# KiCad board PC104+Proto.kicad_pcb
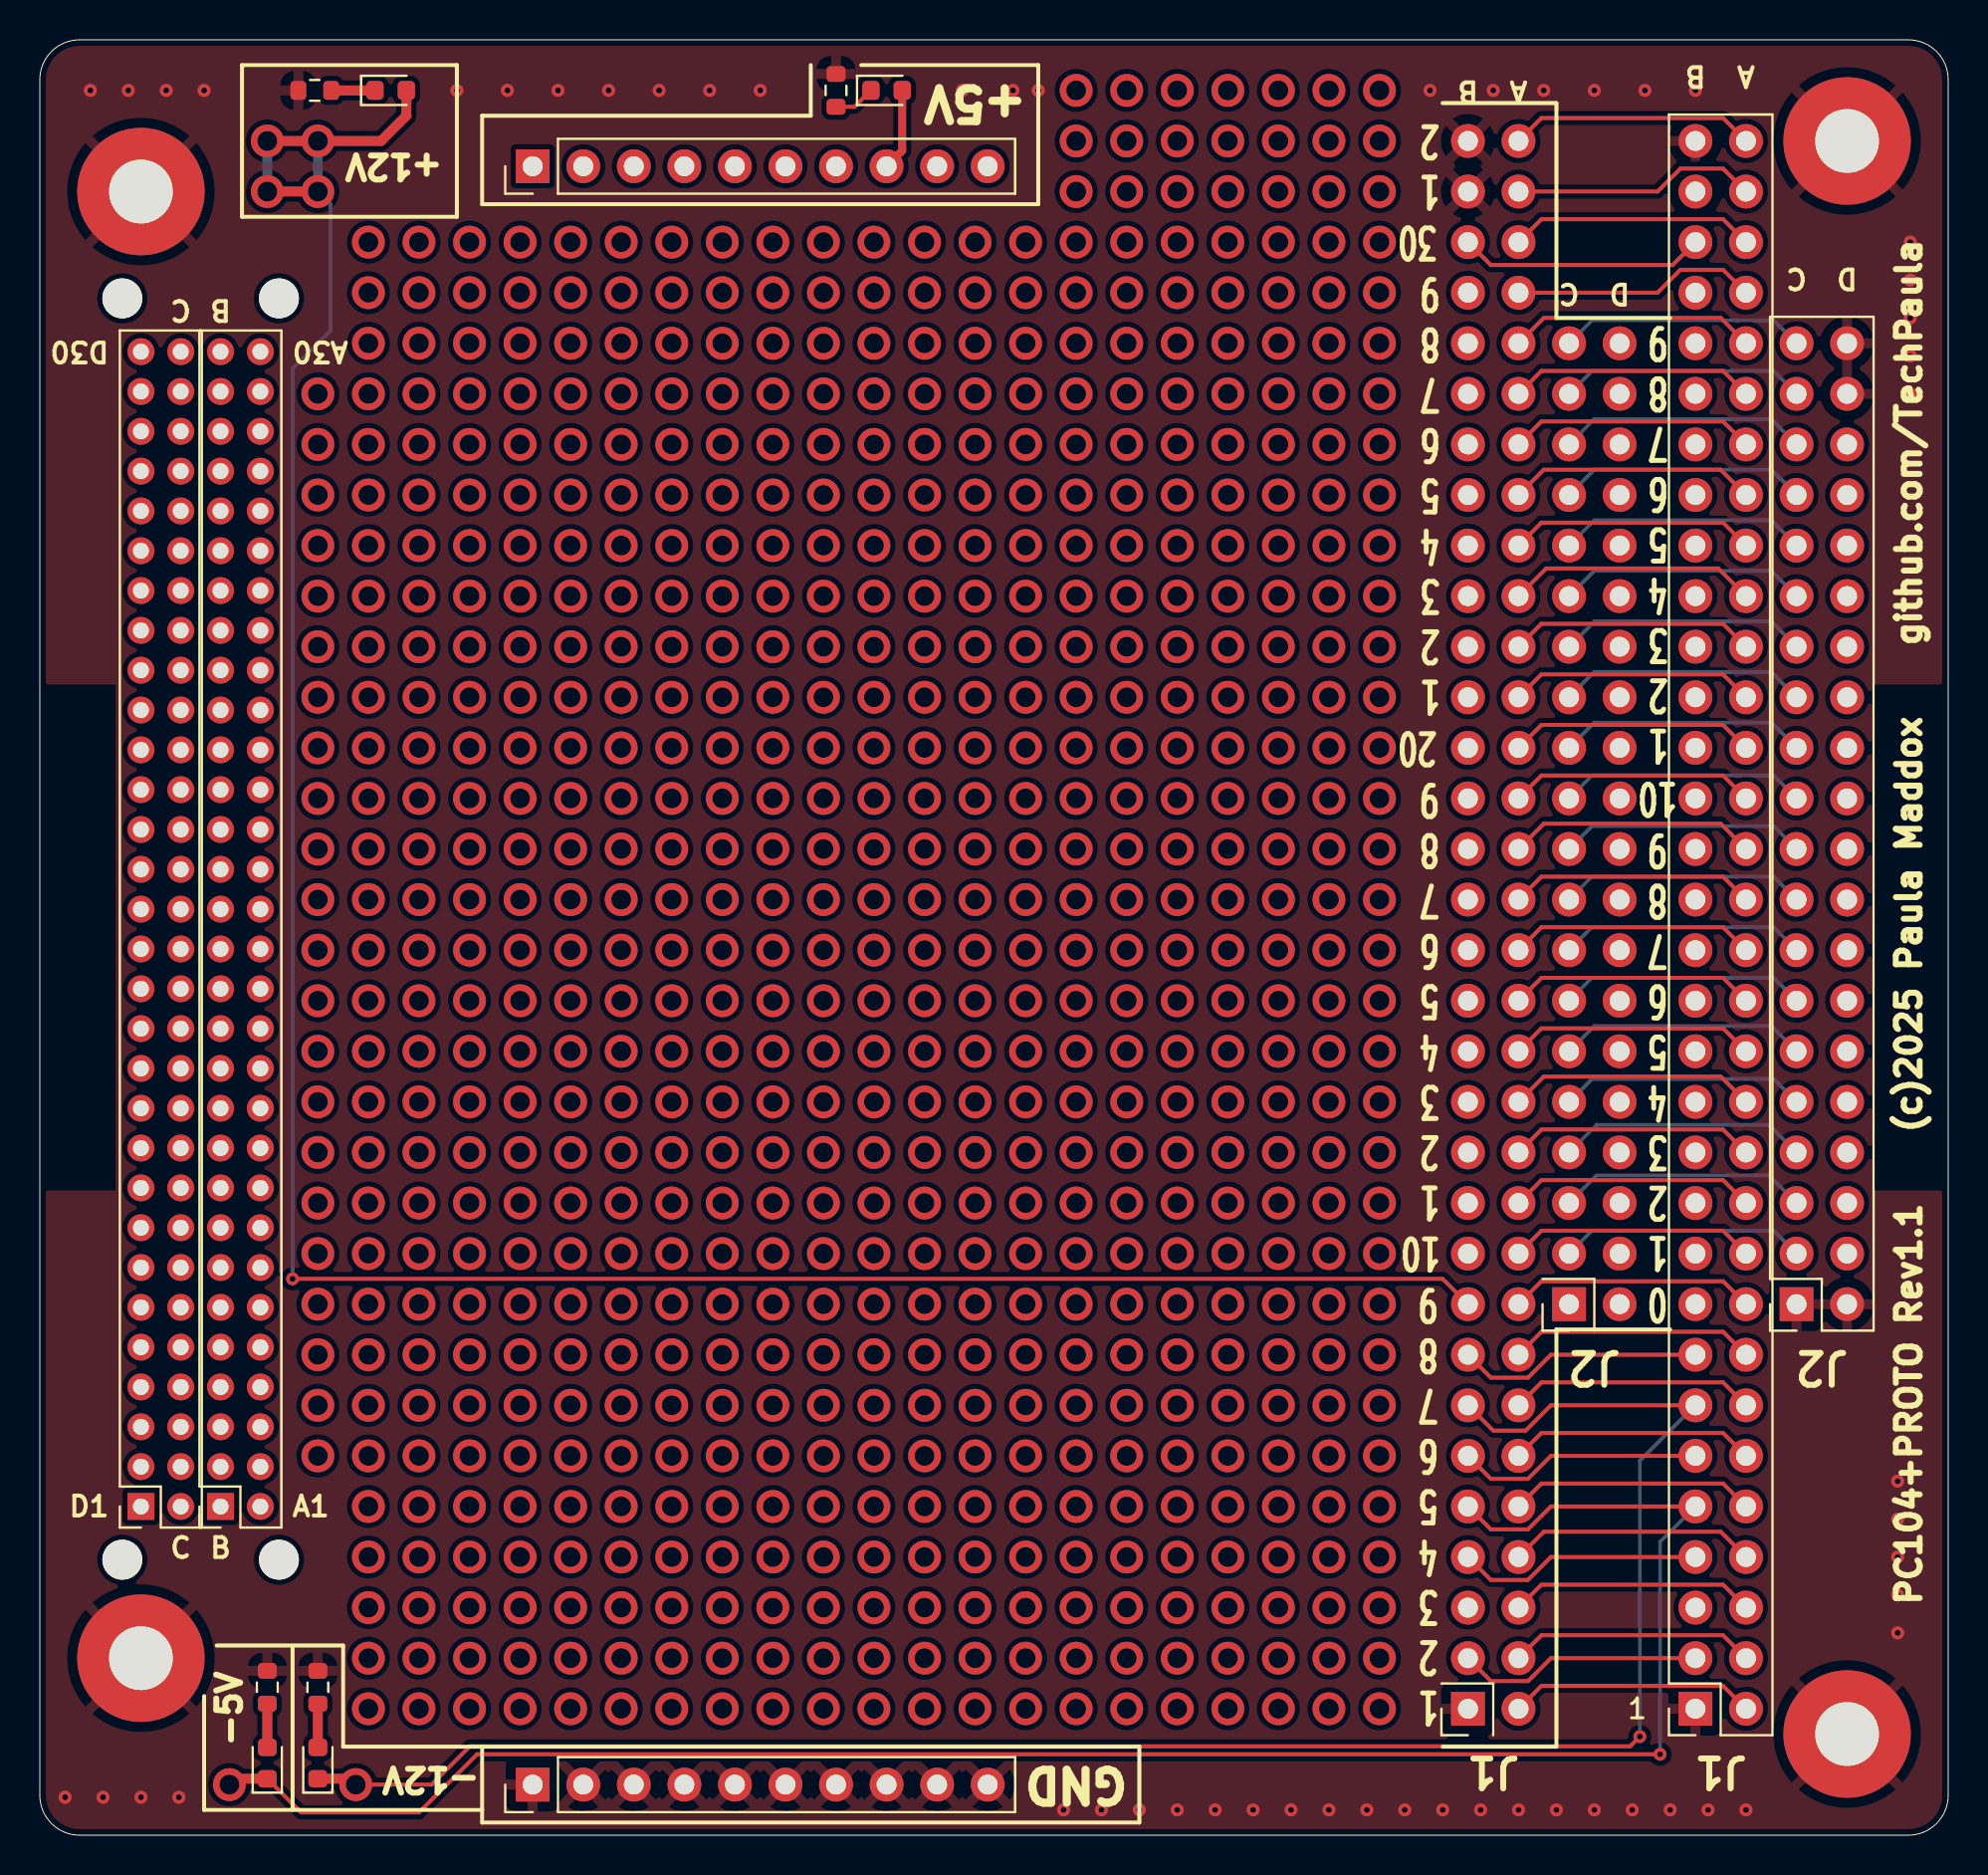
[diagram p0: board, top side]
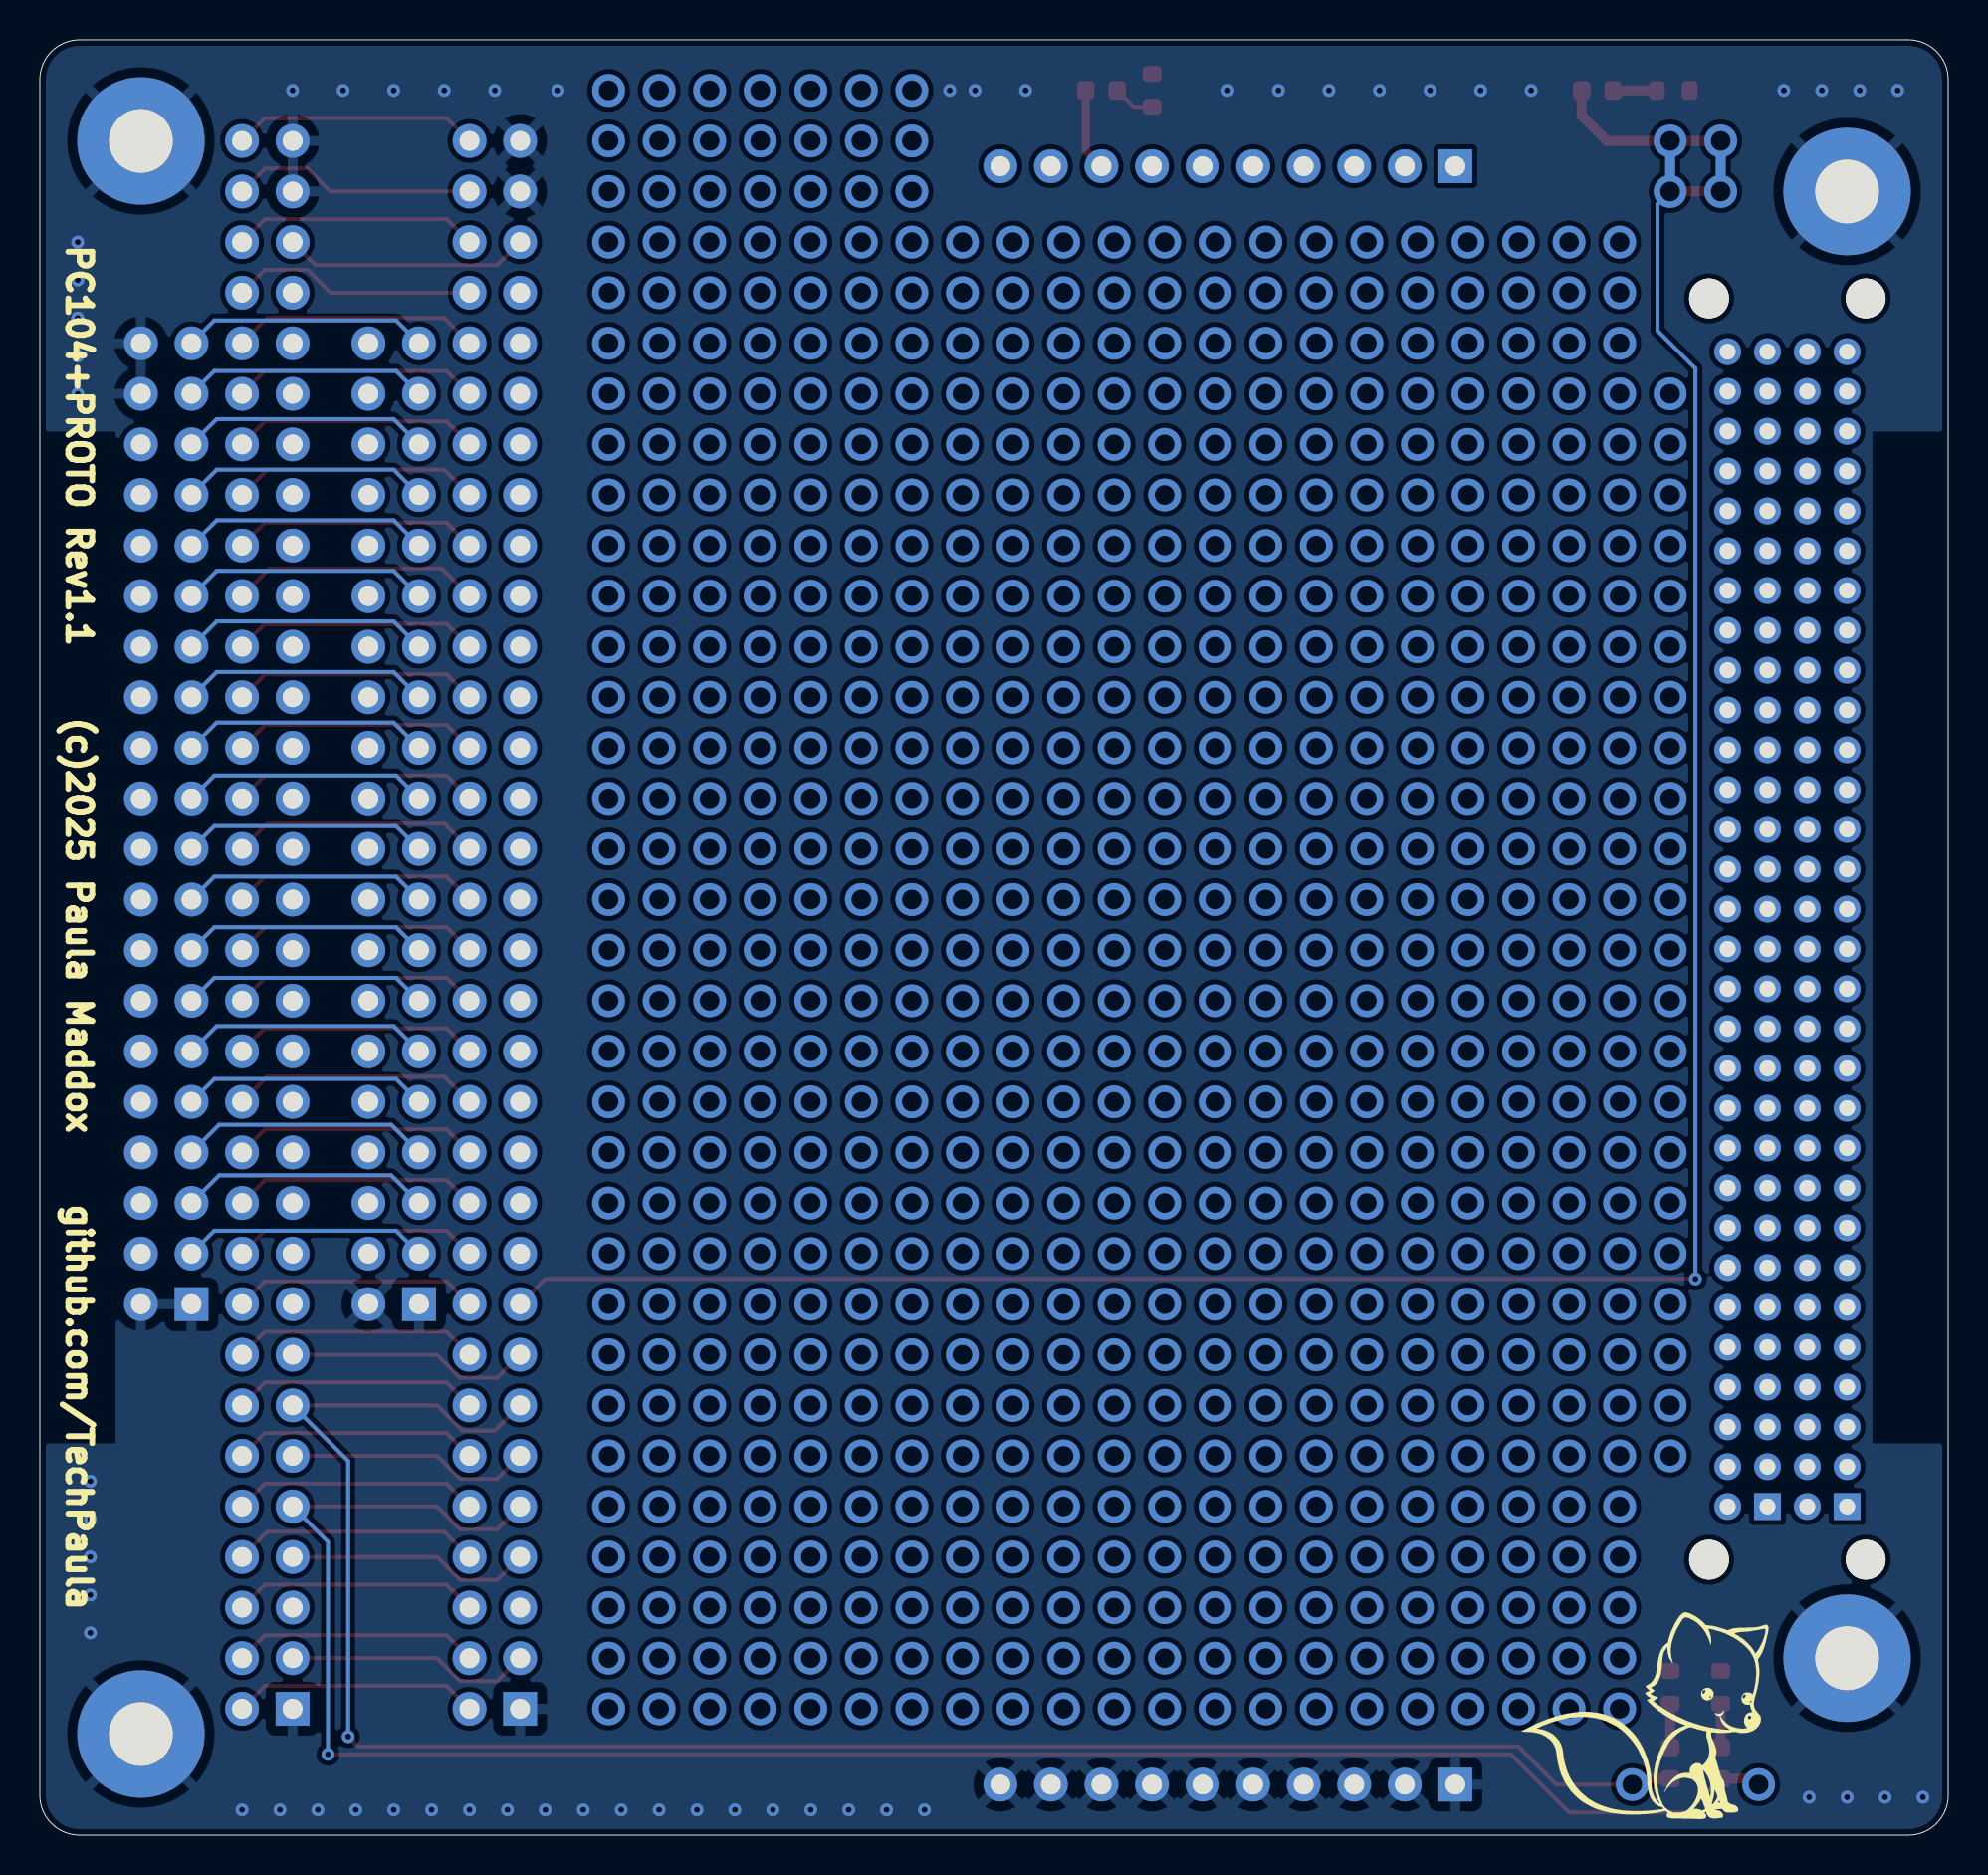
[diagram p1: board, bottom side, seen from below]

Outline 95.89 x 90.17 mm; copper layers: Top, In1.Cu, In2.Cu, Bottom. Coordinates in mm from the lower left corner of the outline.
Outline path: 0,88.17 arc(0.59,89.58) 2,90.17 93.89,90.17 arc(95.3,89.58) 95.89,88.17 95.89,2 arc(95.3,0.59) 93.89,0 2,0 arc(0.59,0.59) 0,2 0,88.17
Stack: Top 0.035mm / dielectric 0.1mm FR4 er 4.5 / In1.Cu 0.035mm / dielectric 1.24mm FR4 er 4.5 / In2.Cu 0.035mm / dielectric 0.1mm FR4 er 4.5 / Bottom 0.035mm

## Placement (name value [footprint] x y rotation side)
D1  LED  [LED_0603_1608Metric]  42.55 87.63 0 top
D2  LED  [LED_0603_1608Metric]  17.63 87.63 0 top
D3  LED  [LED_0603_1608Metric]  11.43 3.62 90 top
D4  LED  [LED_0603_1608Metric]  13.97 3.62 90 top
FOX1  SYM_Flash_Large  [Fox_avatar_18mm]  14.49 6 180 bottom
H3  MountingHole_Pad  [MountingHole_3.2mm_M3_Pad_TopBottom]  5.08 8.89 0 top
H4  MountingHole_Pad  [MountingHole_3.2mm_M3_Pad_TopBottom]  90.8 5.08 0 top
H5  MountingHole_Pad  [MountingHole_3.2mm_M3_Pad_TopBottom]  90.8 85.09 0 top
H6  MountingHole_Pad  [MountingHole_3.2mm_M3_Pad_TopBottom]  5.08 82.55 0 top
H7  MountingHole  [MountingHole_2mm]  4.14 13.83 0 top
H8  MountingHole  [MountingHole_2mm]  12.02 13.83 0 top
H9  MountingHole  [MountingHole_2mm]  4.14 77.18 0 top
H10  MountingHole  [MountingHole_2mm]  12.02 77.18 0 top
J1  Conn_02x32_Odd_Even  [PinSocket_2x32_P2.54mm_Vertical#2]  83.18 6.35 180 top
J2  Conn_02x20_Odd_Even  [PinSocket_2x20_P2.54mm_Vertical#2]  88.27 26.67 180 top
J3  Conn_02x32_Odd_Even  [PinSocket_2x32_P2.54mm_Vertical]  71.75 6.35 180 top  (not fitted)
J3A1  Conn_02x30_Row_Letter_First  [PinSocket_2x30_P2.00mm_Vertical]  9.08 16.51 180 top
J3C1  Conn_02x30_Row_Letter_First  [PinSocket_2x30_P2.00mm_Vertical#2]  5.08 16.51 180 top
J4  GROUND  [PinHeader_1x10_P2.54mm_Vertical]  24.77 2.54 90 top  (not fitted)
J5  Conn_02x20_Odd_Even  [PinSocket_2x20_P2.54mm_Vertical]  76.83 26.67 180 top  (not fitted)
POWER1  Conn_01x10  [PinHeader_1x10_P2.54mm_Vertical]  24.77 83.82 90 top  (not fitted)
R1  2K2  [R_0603_1608Metric]  40 87.63 90 top
R2  4K7  [R_0603_1608Metric]  13.82 87.63 180 top
R3  2K2  [R_0603_1608Metric]  11.43 7.43 90 top
R4  4K7  [R_0603_1608Metric]  13.97 7.43 90 top

## Library data of the parts
D1-D4 = -: Description: Light emitting diode; Sim.Pins: 1=K 2=A; ki_fp_filters: LED* LED_SMD:* LED_THT:*
FOX1 = -: Description: Flash symbol, large
H3-H6 = -: Description: Mounting Hole with connection; ki_fp_filters: MountingHole*Pad*
H7-H10 = -: Description: Mounting Hole without connection; ki_fp_filters: MountingHole*
J1 J3 = -: Description: Generic connector, double row, 02x32, odd/even pin numbering scheme (row 1 odd numbers, row 2 even numbers), script generated (kicad-library-utils/schlib/autogen/connector/); ki_fp_filters: Connector*:*_2x??_*
J2 J5 = -: Description: Generic connector, double row, 02x20, odd/even pin numbering scheme (row 1 odd numbers, row 2 even numbers), script generated (kicad-library-utils/schlib/autogen/connector/); ki_fp_filters: Connector*:*_2x??_*
J3A1 J3C1 = -: Description: Generic connector, double row, 02x30, row letter first pin numbering scheme (pin number consists of a letter for the row and a number for the pin index in this row. a1, ..., aN; b1, ..., bN), script generated (kicad-library-utils/schlib/autogen/connector/); ki_fp_filters: Connector*:*_2x??_*
J4 POWER1 = -: Description: Generic connector, single row, 01x10, script generated (kicad-library-utils/schlib/autogen/connector/); ki_fp_filters: Connector*:*_1x??_*
R1-R4 = -: Description: Resistor; ki_fp_filters: R_*

## Footprints (pads in the part's own frame, mm; a bottom-side part is the same pattern mirrored in y, then rotated)
LED_0603_1608Metric
  rrect 0.875x0.95 smd: 1(-0.787,0) 2(0.787,0)
MountingHole_2mm
  round 2 hole 2 unplated: (0,0)
MountingHole_3.2mm_M3_Pad_TopBottom
  round 3.6 hole 3.2: 1(0,0)
  round 6.4 smd: 1(0,0)
  round 6.4 smd far side: 1(0,0)
PinHeader_1x10_P2.54mm_Vertical
  rect 1.7x1.7 hole 1: 1(0,0)
  round 1.7 hole 1: 2(0,-2.54) 3(0,-5.08) 4(0,-7.62) 5(0,-10.16) 6(0,-12.7) 7(0,-15.24) 8(0,-17.78) 9(0,-20.32) 10(0,-22.86)
PinSocket_2x20_P2.54mm_Vertical
  rect 1.7x1.7 hole 1: 1(0,0)
  round 1.7 hole 1: 2(-2.54,0) 3(0,-2.54) 4(-2.54,-2.54) 5(0,-5.08) 6(-2.54,-5.08) 7(0,-7.62) 8(-2.54,-7.62) 9(0,-10.16) 10(-2.54,-10.16) 11(0,-12.7) 12(-2.54,-12.7) 13(0,-15.24) 14(-2.54,-15.24) 15(0,-17.78) 16(-2.54,-17.78) 17(0,-20.32) 18(-2.54,-20.32) 19(0,-22.86) 20(-2.54,-22.86) 21(0,-25.4) 22(-2.54,-25.4) 23(0,-27.94) 24(-2.54,-27.94) 25(0,-30.48) 26(-2.54,-30.48) 27(0,-33.02) 28(-2.54,-33.02) 29(0,-35.56) 30(-2.54,-35.56) 31(0,-38.1) 32(-2.54,-38.1) 33(0,-40.64) 34(-2.54,-40.64) 35(0,-43.18) 36(-2.54,-43.18) 37(0,-45.72) 38(-2.54,-45.72) 39(0,-48.26) 40(-2.54,-48.26)
PinSocket_2x20_P2.54mm_Vertical#2
  rect 1.7x1.7 hole 1: 1(0,0)
  oval 1.7x1.7 hole 1: 2(-2.54,0) 3(0,-2.54) 4(-2.54,-2.54) 5(0,-5.08) 6(-2.54,-5.08) 7(0,-7.62) 8(-2.54,-7.62) 9(0,-10.16) 10(-2.54,-10.16) 11(0,-12.7) 12(-2.54,-12.7) 13(0,-15.24) 14(-2.54,-15.24) 15(0,-17.78) 16(-2.54,-17.78) 17(0,-20.32) 18(-2.54,-20.32) 19(0,-22.86) 20(-2.54,-22.86) 21(0,-25.4) 22(-2.54,-25.4) 23(0,-27.94) 24(-2.54,-27.94) 25(0,-30.48) 26(-2.54,-30.48) 27(0,-33.02) 28(-2.54,-33.02) 29(0,-35.56) 30(-2.54,-35.56) 31(0,-38.1) 32(-2.54,-38.1) 33(0,-40.64) 34(-2.54,-40.64) 35(0,-43.18) 36(-2.54,-43.18) 37(0,-45.72) 38(-2.54,-45.72) 39(0,-48.26) 40(-2.54,-48.26)
PinSocket_2x30_P2.00mm_Vertical
  oval 1.35x1.35 hole 0.8: a1(-2,0) a2(-2,-2) a3(-2,-4) a4(-2,-6) a5(-2,-8) a6(-2,-10) a7(-2,-12) a8(-2,-14) a9(-2,-16) a10(-2,-18) a11(-2,-20) a12(-2,-22) a13(-2,-24) a14(-2,-26) a15(-2,-28) a16(-2,-30) a17(-2,-32) a18(-2,-34) a19(-2,-36) a20(-2,-38) a21(-2,-40) a22(-2,-42) a23(-2,-44) a24(-2,-46) a25(-2,-48) a26(-2,-50) a27(-2,-52) a28(-2,-54) a29(-2,-56) a30(-2,-58) b2(0,-2) b3(0,-4) b4(0,-6) b5(0,-8) b6(0,-10) b7(0,-12) b8(0,-14) b9(0,-16) b10(0,-18) b11(0,-20) b12(0,-22) b13(0,-24) b14(0,-26) b15(0,-28) b16(0,-30) b17(0,-32) b18(0,-34) b19(0,-36) b20(0,-38) b21(0,-40) b22(0,-42) b23(0,-44) b24(0,-46) b25(0,-48) b26(0,-50) b27(0,-52) b28(0,-54) b29(0,-56) b30(0,-58)
  rect 1.35x1.35 hole 0.8: b1(0,0)
PinSocket_2x30_P2.00mm_Vertical#2
  oval 1.35x1.35 hole 0.8: c1(-2,0) c2(-2,-2) c3(-2,-4) c4(-2,-6) c5(-2,-8) c6(-2,-10) c7(-2,-12) c8(-2,-14) c9(-2,-16) c10(-2,-18) c11(-2,-20) c12(-2,-22) c13(-2,-24) c14(-2,-26) c15(-2,-28) c16(-2,-30) c17(-2,-32) c18(-2,-34) c19(-2,-36) c20(-2,-38) c21(-2,-40) c22(-2,-42) c23(-2,-44) c24(-2,-46) c25(-2,-48) c26(-2,-50) c27(-2,-52) c28(-2,-54) c29(-2,-56) c30(-2,-58) d2(0,-2) d3(0,-4) d4(0,-6) d5(0,-8) d6(0,-10) d7(0,-12) d8(0,-14) d9(0,-16) d10(0,-18) d11(0,-20) d12(0,-22) d13(0,-24) d14(0,-26) d15(0,-28) d16(0,-30) d17(0,-32) d18(0,-34) d19(0,-36) d20(0,-38) d21(0,-40) d22(0,-42) d23(0,-44) d24(0,-46) d25(0,-48) d26(0,-50) d27(0,-52) d28(0,-54) d29(0,-56) d30(0,-58)
  rect 1.35x1.35 hole 0.8: d1(0,0)
PinSocket_2x32_P2.54mm_Vertical
  rect 1.7x1.7 hole 1: 1(0,0)
  round 1.7 hole 1: 2(-2.54,0) 3(0,-2.54) 4(-2.54,-2.54) 5(0,-5.08) 6(-2.54,-5.08) 7(0,-7.62) 8(-2.54,-7.62) 9(0,-10.16) 10(-2.54,-10.16) 11(0,-12.7) 12(-2.54,-12.7) 13(0,-15.24) 14(-2.54,-15.24) 15(0,-17.78) 16(-2.54,-17.78) 17(0,-20.32) 18(-2.54,-20.32) 19(0,-22.86) 20(-2.54,-22.86) 21(0,-25.4) 22(-2.54,-25.4) 23(0,-27.94) 24(-2.54,-27.94) 25(0,-30.48) 26(-2.54,-30.48) 27(0,-33.02) 28(-2.54,-33.02) 29(0,-35.56) 30(-2.54,-35.56) 31(0,-38.1) 32(-2.54,-38.1) 33(0,-40.64) 34(-2.54,-40.64) 35(0,-43.18) 36(-2.54,-43.18) 37(0,-45.72) 38(-2.54,-45.72) 39(0,-48.26) 40(-2.54,-48.26) 41(0,-50.8) 42(-2.54,-50.8) 43(0,-53.34) 44(-2.54,-53.34) 45(0,-55.88) 46(-2.54,-55.88) 47(0,-58.42) 48(-2.54,-58.42) 49(0,-60.96) 50(-2.54,-60.96) 51(0,-63.5) 52(-2.54,-63.5) 53(0,-66.04) 54(-2.54,-66.04) 55(0,-68.58) 56(-2.54,-68.58) 57(0,-71.12) 58(-2.54,-71.12) 59(0,-73.66) 60(-2.54,-73.66) 61(0,-76.2) 62(-2.54,-76.2) 63(0,-78.74) 64(-2.54,-78.74)
PinSocket_2x32_P2.54mm_Vertical#2
  rect 1.7x1.7 hole 1: 1(0,0)
  oval 1.7x1.7 hole 1: 2(-2.54,0) 3(0,-2.54) 4(-2.54,-2.54) 5(0,-5.08) 6(-2.54,-5.08) 7(0,-7.62) 8(-2.54,-7.62) 9(0,-10.16) 10(-2.54,-10.16) 11(0,-12.7) 12(-2.54,-12.7) 13(0,-15.24) 14(-2.54,-15.24) 15(0,-17.78) 16(-2.54,-17.78) 17(0,-20.32) 18(-2.54,-20.32) 19(0,-22.86) 20(-2.54,-22.86) 21(0,-25.4) 22(-2.54,-25.4) 23(0,-27.94) 24(-2.54,-27.94) 25(0,-30.48) 26(-2.54,-30.48) 27(0,-33.02) 28(-2.54,-33.02) 29(0,-35.56) 30(-2.54,-35.56) 31(0,-38.1) 32(-2.54,-38.1) 33(0,-40.64) 34(-2.54,-40.64) 35(0,-43.18) 36(-2.54,-43.18) 37(0,-45.72) 38(-2.54,-45.72) 39(0,-48.26) 40(-2.54,-48.26) 41(0,-50.8) 42(-2.54,-50.8) 43(0,-53.34) 44(-2.54,-53.34) 45(0,-55.88) 46(-2.54,-55.88) 47(0,-58.42) 48(-2.54,-58.42) 49(0,-60.96) 50(-2.54,-60.96) 51(0,-63.5) 52(-2.54,-63.5) 53(0,-66.04) 54(-2.54,-66.04) 55(0,-68.58) 56(-2.54,-68.58) 57(0,-71.12) 58(-2.54,-71.12) 59(0,-73.66) 60(-2.54,-73.66) 61(0,-76.2) 62(-2.54,-76.2) 63(0,-78.74) 64(-2.54,-78.74)
R_0603_1608Metric
  rrect 0.8x0.95 smd: 1(-0.825,0) 2(0.825,0)
